# Altium PCB PCB1.PcbDoc (part 5 of 5)
Units mm, origin at the board's own origin, x right, y up, seen from the top; angles counter-clockwise.
Board outline 50 x 50 mm, 6 copper layers (Top Layer, Int1 (GND), Int2 (Sign), Int3 (Sign), Int4 (Sign), Bottom Layer), stack 1.551 mm thick; 306 components, 209 nets, 1178 pads, 764 vias.
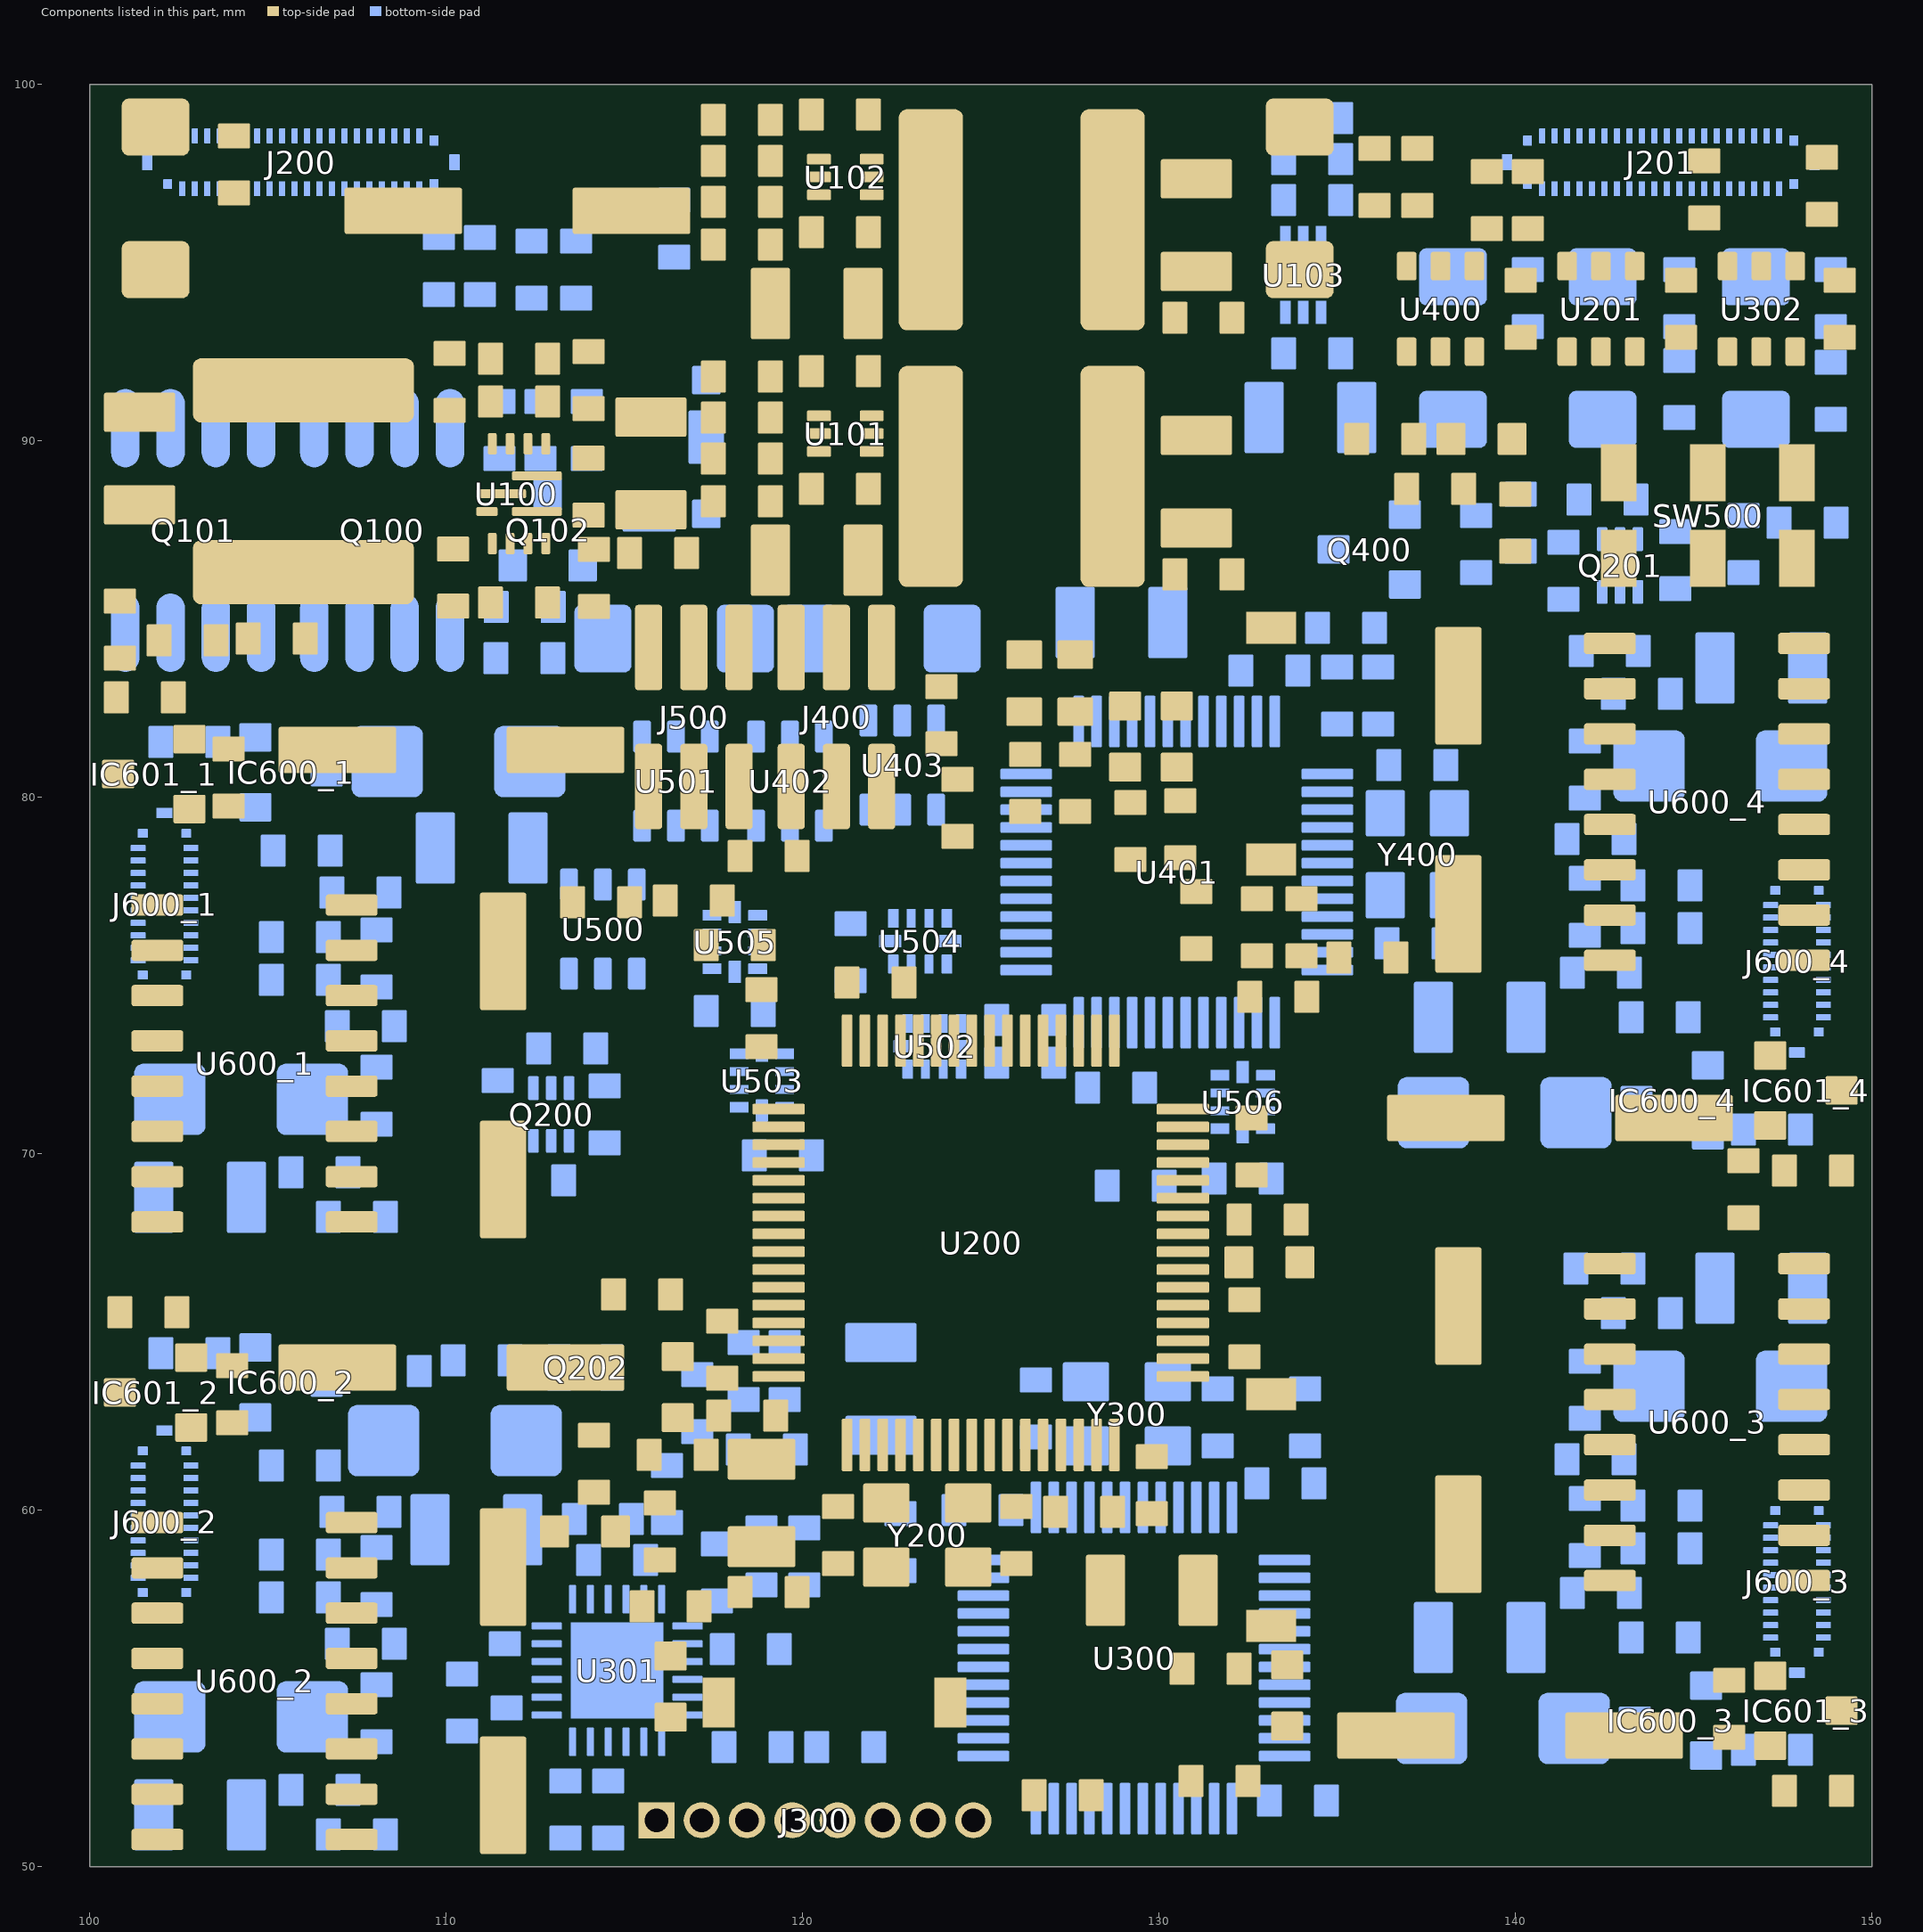
[diagram p9: the components of this part, seen from the top]

## Polygon pours and split planes (outlines as drawn) (continued)
5V on Int3 (Sign) "5V_L04_P162" (solid, pour order 162): 100,95.8 106.2,95.8 106.2,50 100,50
GND on Top Layer "GND_L01_P158" (solid, pour order 158): 108.8,93.15 110.3,93.15 110.6,92.85 110.6,92.05 109.4,92.05 108.95,92.5 108.8,92.5
3.3V on Top Layer "3.3V_L01_P308" (solid, pour order 308): 116.65,63.15 117.35,63.85 117.55,63.85 117.55,63.35 117.4,63.35 116.9,62.85
12V on Top Layer "12V_L01_P125" (solid, pour order 125): 121.448,89.099 121.6,89.234 121.6,89.9 122.25,89.9 122.45,89.7 122.45,85.6 122.4,85.55 121.1,85.55 121.1,87.8 121.45,88.15
Magnet+_2 on Top Layer "MAGNET+_2_L01_P126" (solid, pour order 126): 103.15,60 104.6,60 104.6,58.45 103.15,58.45
Magnet+_1 on Top Layer "MAGNET+_1_L01_P127" (solid, pour order 127): 103.15,77.325 104.6,77.325 104.6,75.775 103.15,75.775
Magnet+_3 on Top Layer "MAGNET+_3_L01_P128" (solid, pour order 128): 146.85,57.675 145.4,57.675 145.4,59.225 146.85,59.225
GND on Top Layer "GND_L01_P129" (solid, pour order 129): 130.95,86.9 132.5,86.9 132.5,85.7 130.95,85.7
12V on Top Layer "12V_L01_P130" (solid, pour order 130): 120.6,85.55 120.6,87.2 121.25,87.2 121.25,85.55
Motor+_2 on Top Layer "MOTOR+_2_L01_P135" (solid, pour order 135): 101.1,59.5 101.1,61.05 104.6,61.05 104.6,59.5
Motor+_1 on Top Layer "MOTOR+_1_L01_P136" (solid, pour order 136): 101.1,76.825 101.1,78.4 104.6,78.4 104.6,76.825
Motor+_3 on Top Layer "MOTOR+_3_L01_P137" (solid, pour order 137): 148.9,58.175 148.9,56.625 145.4,56.625 145.4,58.175
12V_in on Top Layer "12V_IN_L01_P138" (solid, pour order 138): 120.55,92.75 120.55,94.45 121.3,94.45 121.3,92.75
GND on Top Layer "GND_L01_P139" (solid, pour order 139): 100.25,57.8 101.1,57.8 101.1,59.15 103.45,59.15 103.45,55.15 100.25,55.15
GND on Top Layer "GND_L01_P140" (solid, pour order 140): 100.25,75.125 101.1,75.125 101.1,76.475 103.45,76.475 103.45,72.475 100.25,72.475
GND on Top Layer "GND_L01_P141" (solid, pour order 141): 149.75,59.875 148.9,59.875 148.9,58.525 146.55,58.525 146.55,62.525 149.75,62.525
GND on Top Layer "GND_L01_P142" (solid, pour order 142): 130.95,94.099 132.5,94.099 132.5,92.899 130.95,92.899
GND on Top Layer "GND_L01_P155" (solid, pour order 155): 100.3,50.3 100.3,54.5 102.55,54.5 102.6,54.45 102.6,50.3
GND on Top Layer "GND_L01_P156" (solid, pour order 156): 100.3,67.625 100.3,71.825 102.55,71.825 102.6,71.775 102.6,67.625
GND on Top Layer "GND_L01_P157" (solid, pour order 157): 149.7,67.375 149.7,63.175 147.45,63.175 147.4,63.225 147.4,67.375
5V_mot on Top Layer "5V_MOT_L01_P163" (solid, pour order 163): 104.75,56.1 104.75,53.9 108.1,53.9 108.1,55.7 106.55,55.7 106.55,56.1
5V_mot on Top Layer "5V_MOT_L01_P164" (solid, pour order 164): 104.75,73.425 104.75,71.225 108.1,71.225 108.1,73.025 106.55,73.025 106.55,73.425
5V_mot on Top Layer "5V_MOT_L01_P165" (solid, pour order 165): 145.25,61.575 145.25,63.775 141.9,63.775 141.9,61.975 143.45,61.975 143.45,61.575
Magnet+_4 on Top Layer "MAGNET+_4_L01_P166" (solid, pour order 166): 146.85,75.075 145.4,75.075 145.4,76.625 146.85,76.625
5V_mot on Top Layer "5V_MOT_L01_P191" (solid, pour order 191): 107.95,55.65 110.5,55.65 112.25,53.9 112.25,50.3 109.85,50.3 109.85,52.15 108.084,53.916 107.95,53.917 107.95,54.9
5V_mot on Top Layer "5V_MOT_L01_P192" (solid, pour order 192): 107.95,72.975 110.5,72.975 112.25,71.225 112.25,67.625 110.1,67.625 110.1,69.225 108.084,71.241 107.95,71.242 107.95,72.225
5V_mot on Top Layer "5V_MOT_L01_P193" (solid, pour order 193): 142.05,62.025 139.5,62.025 136.95,64.575 136.95,67.375 139.7,67.375 139.7,65.975 141.916,63.759 142.05,63.758 142.05,62.775
Motor+_4 on Top Layer "MOTOR+_4_L01_P194" (solid, pour order 194): 148.9,75.575 148.9,74.025 145.4,74.025 145.4,75.575
GND on Top Layer "GND_L01_P195" (solid, pour order 195): 110,60.05 112.25,60.05 112.25,56.7 110,56.7
GND on Top Layer "GND_L01_P196" (solid, pour order 196): 110.1,77.325 112.25,77.325 112.25,74.025 110.1,74.025
GND on Top Layer "GND_L01_P197" (solid, pour order 197): 140,57.675 137.75,57.675 137.75,60.975 140,60.975
GND on Top Layer "GND_L01_P198" (solid, pour order 198): 149.75,77.275 148.9,77.275 148.9,75.925 146.55,75.925 146.55,79.925 149.75,79.925
12V on Top Layer "12V_L01_P215" (solid, pour order 215): 105.3,64.65 105.3,59.95 105.9,59.35 108.1,59.35 110.2,61.45 110.2,64.65
12V on Top Layer "12V_L01_P216" (solid, pour order 216): 105.3,81.975 105.3,77.475 106.1,76.675 108.1,76.675 108.6,77.175 108.6,81.975
12V on Top Layer "12V_L01_P217" (solid, pour order 217): 144.7,53.025 144.7,57.525 143.9,58.325 141.9,58.325 141.4,57.825 141.4,53.025
GND on Top Layer "GND_L01_P218" (solid, pour order 218): 149.7,84.775 149.7,80.575 147.45,80.575 147.4,80.625 147.4,84.775
GND on Top Layer "GND_L01_P219" (solid, pour order 219): 113.45,65.4 115,65.4 115,62.6 113.45,62.6
GND on Top Layer "GND_L01_P220" (solid, pour order 220): 113.45,82.725 115,82.725 115,79.9 113.45,79.9
GND on Top Layer "GND_L01_P221" (solid, pour order 221): 138.3,52 135,52 135,54.3 138.3,54.3
5V_mot on Top Layer "5V_MOT_L01_P222" (solid, pour order 222): 145.25,78.975 145.25,81.175 141.9,81.175 141.9,79.375 143.45,79.375 143.45,78.975
5V_mot on Top Layer "5V_MOT_L01_P226" (solid, pour order 226): 142.05,79.425 139.5,79.425 136.95,81.975 136.95,84.775 139.9,84.775 139.9,83.175 141.916,81.159 142.05,81.158 142.05,80.175
GND on Top Layer "GND_L01_P227" (solid, pour order 227): 139.95,74.95 137.75,74.95 137.75,78.375 139.95,78.375
12V on Top Layer "12V_L01_P228" (solid, pour order 228): 144.7,70.425 144.7,74.925 143.9,75.725 141.9,75.725 141.4,75.225 141.4,70.425
GND on Top Layer "GND_L01_P229" (solid, pour order 229): 138.05,69.4 135,69.4 135,72.2 138.05,72.2
12V on Top Layer "12V_L01_P232" (solid, pour order 232): 116.796,87.5 113.209,87.5 113.146,87.564 111.796,87.564 111.796,88.264 112.296,88.264 112.696,88.664 114.496,88.664 114.696,88.864 114.696,90 116.796,90
GND on Top Layer "GND_L01_P233" (solid, pour order 233): 116.746,91.75 116.746,89.714 114.646,89.714 114.446,89.514 114.446,89.014 114.246,88.814 111.796,88.814 111.796,89.464 112.996,89.464 113.496,89.964 113.496,91.75
NetC100_1 on Top Layer "NETC100_1_L01_P234" (solid, pour order 234): 110.95,89.428 111.531,88.769 112.246,88.769 112.246,88.264 110.446,88.264 109.396,87.214 109.396,85.4 102.596,85.4 102.596,89.428
GND on Top Layer "GND_L01_P235" (solid, pour order 235): 116.746,92.55 114.646,92.55 114.646,91.214 116.746,91.214
5V on Top Layer "5V_L01_P236" (solid, pour order 236): 100.3,93.25 105.65,93.25 106.55,92.35 109.1,92.35 109.1,90.45 102.6,90.45 102.4,90.25 100.3,90.25
GND on Top Layer "GND_L01_P237" (solid, pour order 237): 102.4,88.75 102.4,87.55 100.95,86.1 100.3,86.1 100.3,88.75
5V on Top Layer "5V_L01_P238" (solid, pour order 238): 110.6,91.25 109.05,91.25 109.05,90.5 109.1,90.45 110.6,90.45
NetC109_1 on Top Layer "NETC109_1_L01_P124" (solid, pour order 124): 121.55,90.4 122.3,90.4 122.7,90.8 123.2,90.8 123.2,89.6 122.7,89.6 122.3,90 121.55,90
GND on Top Layer "GND_L01_P239" (solid, pour order 239): 120.85,89.45 120.85,91.35 122.35,91.35 122.35,90.45 121.5,90.45 121.5,89.3 121.3,89.1 121.3,88.3 120.85,87.85 120.85,85.55 118.5,85.55 118.45,85.6 118.45,87.7 119.65,87.7 119.65,89.05 120,89.4 120.8,89.4
3.3V on Top Layer "3.3V_L01_P303" (solid, pour order 303): 128.55,82.4 128.55,83.1 129.25,83.8 131.1,83.8 131.1,82.4
NetD401_1 on Top Layer "NETD401_1_L01_P290" (solid, pour order 290): 121.85,85.4 123.3,85.4 123.3,84.1 121.85,84.1
GND on Top Layer "GND_L01_P286" (solid, pour order 286): 129.493,78.9 130,78.9 130.5,78.4 130.5,78.15 129.05,78.15 129.05,78.4
GND on Top Layer "GND_L01_P285" (solid, pour order 285): 122.607,78.907 122.599,79.807 121.857,79.807 121.75,79.7 121.75,78.75 122.45,78.75
GND on Top Layer "GND_L01_P283" (solid, pour order 283): 135.55,98.45 137.75,98.45 137.75,98.6 137.05,99.3 137.05,99.55 135.55,99.55
5V_USB on Top Layer "5V_USB_L01_P264" (solid, pour order 264): 132.3,99.4 132.55,99.65 135.05,99.65 135.05,96.665 132.885,96.665 132.3,97.25
5V_mcu on Top Layer "5V_MCU_L01_P263" (solid, pour order 263): 131.95,94.2 132.6,94.2 132.8,94 135,94 135,96.1 131.95,96.1
12V_in on Top Layer "12V_IN_L01_P258" (solid, pour order 258): 108.4,94.3 109.3,94.3 110.6,93 118.4,93 118.4,94.85 117.1,94.85 116.4,95.55 112.55,95.55 111,97.1 108.4,97.1
12V_in on Top Layer "12V_IN_L01_P255" (solid, pour order 255): 100.3,98 102.05,98 103.6,96.45 104.75,96.45 104.75,97.1 110.55,97.1 110.55,95.65 109.2,95.65 109,95.45 109,94.877 108.428,94.305 103.5,94.3 102.9,94.9 102.9,95.522 102.672,95.75 100.35,95.75 100.3,95.8
GND on Top Layer "GND_L01_P254" (solid, pour order 254): 113.55,97.85 116.85,97.85 116.85,95.7 113.55,95.7
NetC201_2 on Top Layer "NETC201_2_L01_P253" (solid, pour order 253): 100.9,99.6 104.8,99.6 106,98.4 106,97.25 105.15,97.25 104.25,98.15 100.9,98.15
5V on Top Layer "5V_L01_P251" (solid, pour order 251): 100.905,94.2 102.8,94.2 102.8,93.15 102.75,93.1 100.3,93.1 100.3,93.646
GND on Top Layer "GND_L01_P240" (solid, pour order 240): 120.85,96.649 120.85,98.55 122.35,98.55 122.35,97.599 121.5,97.599 121.5,96.499 121.3,96.299 121.3,95.499 120.85,95.049 120.85,92.749 118.5,92.749 118.45,92.799 118.45,94.899 119.481,94.899 119.6,95.058 119.6,96.199 120,96.599 120.8,96.599
NetC115_1 on Top Layer "NETC115_1_L01_P122" (solid, pour order 122): 121.6,97.6 122.301,97.6 122.7,97.999 123.2,97.999 123.2,96.799 122.7,96.799 122.3,97.2 121.6,97.2
12V_in on Top Layer "12V_IN_L01_P123" (solid, pour order 123): 121.45,96.3 121.6,96.45 121.6,97.1 122.25,97.1 122.45,96.9 122.45,92.799 122.4,92.749 121.1,92.749 121.1,94.949 121.45,95.299
GND on Top Layer "GND_L01_P244" (solid, pour order 244): 129.85,98.799 132.15,98.799 132.15,96.799 129.85,96.799
5V_mcu on Top Layer "5V_MCU_L01_P245" (solid, pour order 245): 132.15,96.349 132.15,94.149 129.15,94.149 129.15,96.349
5V_mcu on Top Layer "5V_MCU_L01_P250" (solid, pour order 250): 127.8,94.349 130.9,94.349 130.9,92.899 127.8,92.899
5V_mot on Top Layer "5V_MOT_L01_P243" (solid, pour order 243): 127.8,87.15 130.9,87.15 130.9,85.7 127.8,85.7
5V_mot on Top Layer "5V_MOT_L01_P242" (solid, pour order 242): 132.15,89.15 132.15,86.95 129.15,86.95 129.15,89.15
GND on Top Layer "GND_L01_P241" (solid, pour order 241): 129.85,91.6 132.15,91.6 132.15,89.6 129.85,89.6
3.3V on Int2 (Sign) "3.3V_L03_P307" (solid, pour order 307): 107.695,65.9 106.8,65.9 106.25,65.35 106.25,64.6 107.65,64.6 107.8,64.75 107.8,65.85
3.3V on Int2 (Sign) "3.3V_L03_P280" (solid, pour order 280): 127.5,82.95 131.1,82.95 131.1,84.05 134.35,87.3 134.35,90.5 130.5,90.5 127.5,87.5
12V on Int2 (Sign) "12V_L03_P256" (solid, pour order 256): 114.7,90 117.8,90 117.8,88.8 122.55,88.8 122.55,84.4 117.8,84.4 114.7,87.5
GND on Int4 (Sign) "GND_L05_P117" (solid, pour order 117): 100,100 150,100 150,50 100,50
GND on Int1 (GND) "GND_L02_P116" (solid, pour order 116): 100,100 150,100 150,50 100,50

## Keep-outs
Keep-Out Layer:
  the board outline again, w0.4

## Silkscreen, mask and mechanical layers (free items; w line width, h text height)
Bottom Overlay:
  lines w0.05: 138.8,95.5 150.001,95.5 150.001,100.501 138.8,100.501 138.8,95.5
Bottom Courtyard:
  lines w0.05: 99.5,56.05 104.101,56.05 104.101,64.401 99.5,64.401 99.5,56.05 ; 100,94.5 111.201,94.5 111.201,100.501 100,100.501 100,94.5